# KiCad board relay_panel_2x2.kicad_pcb
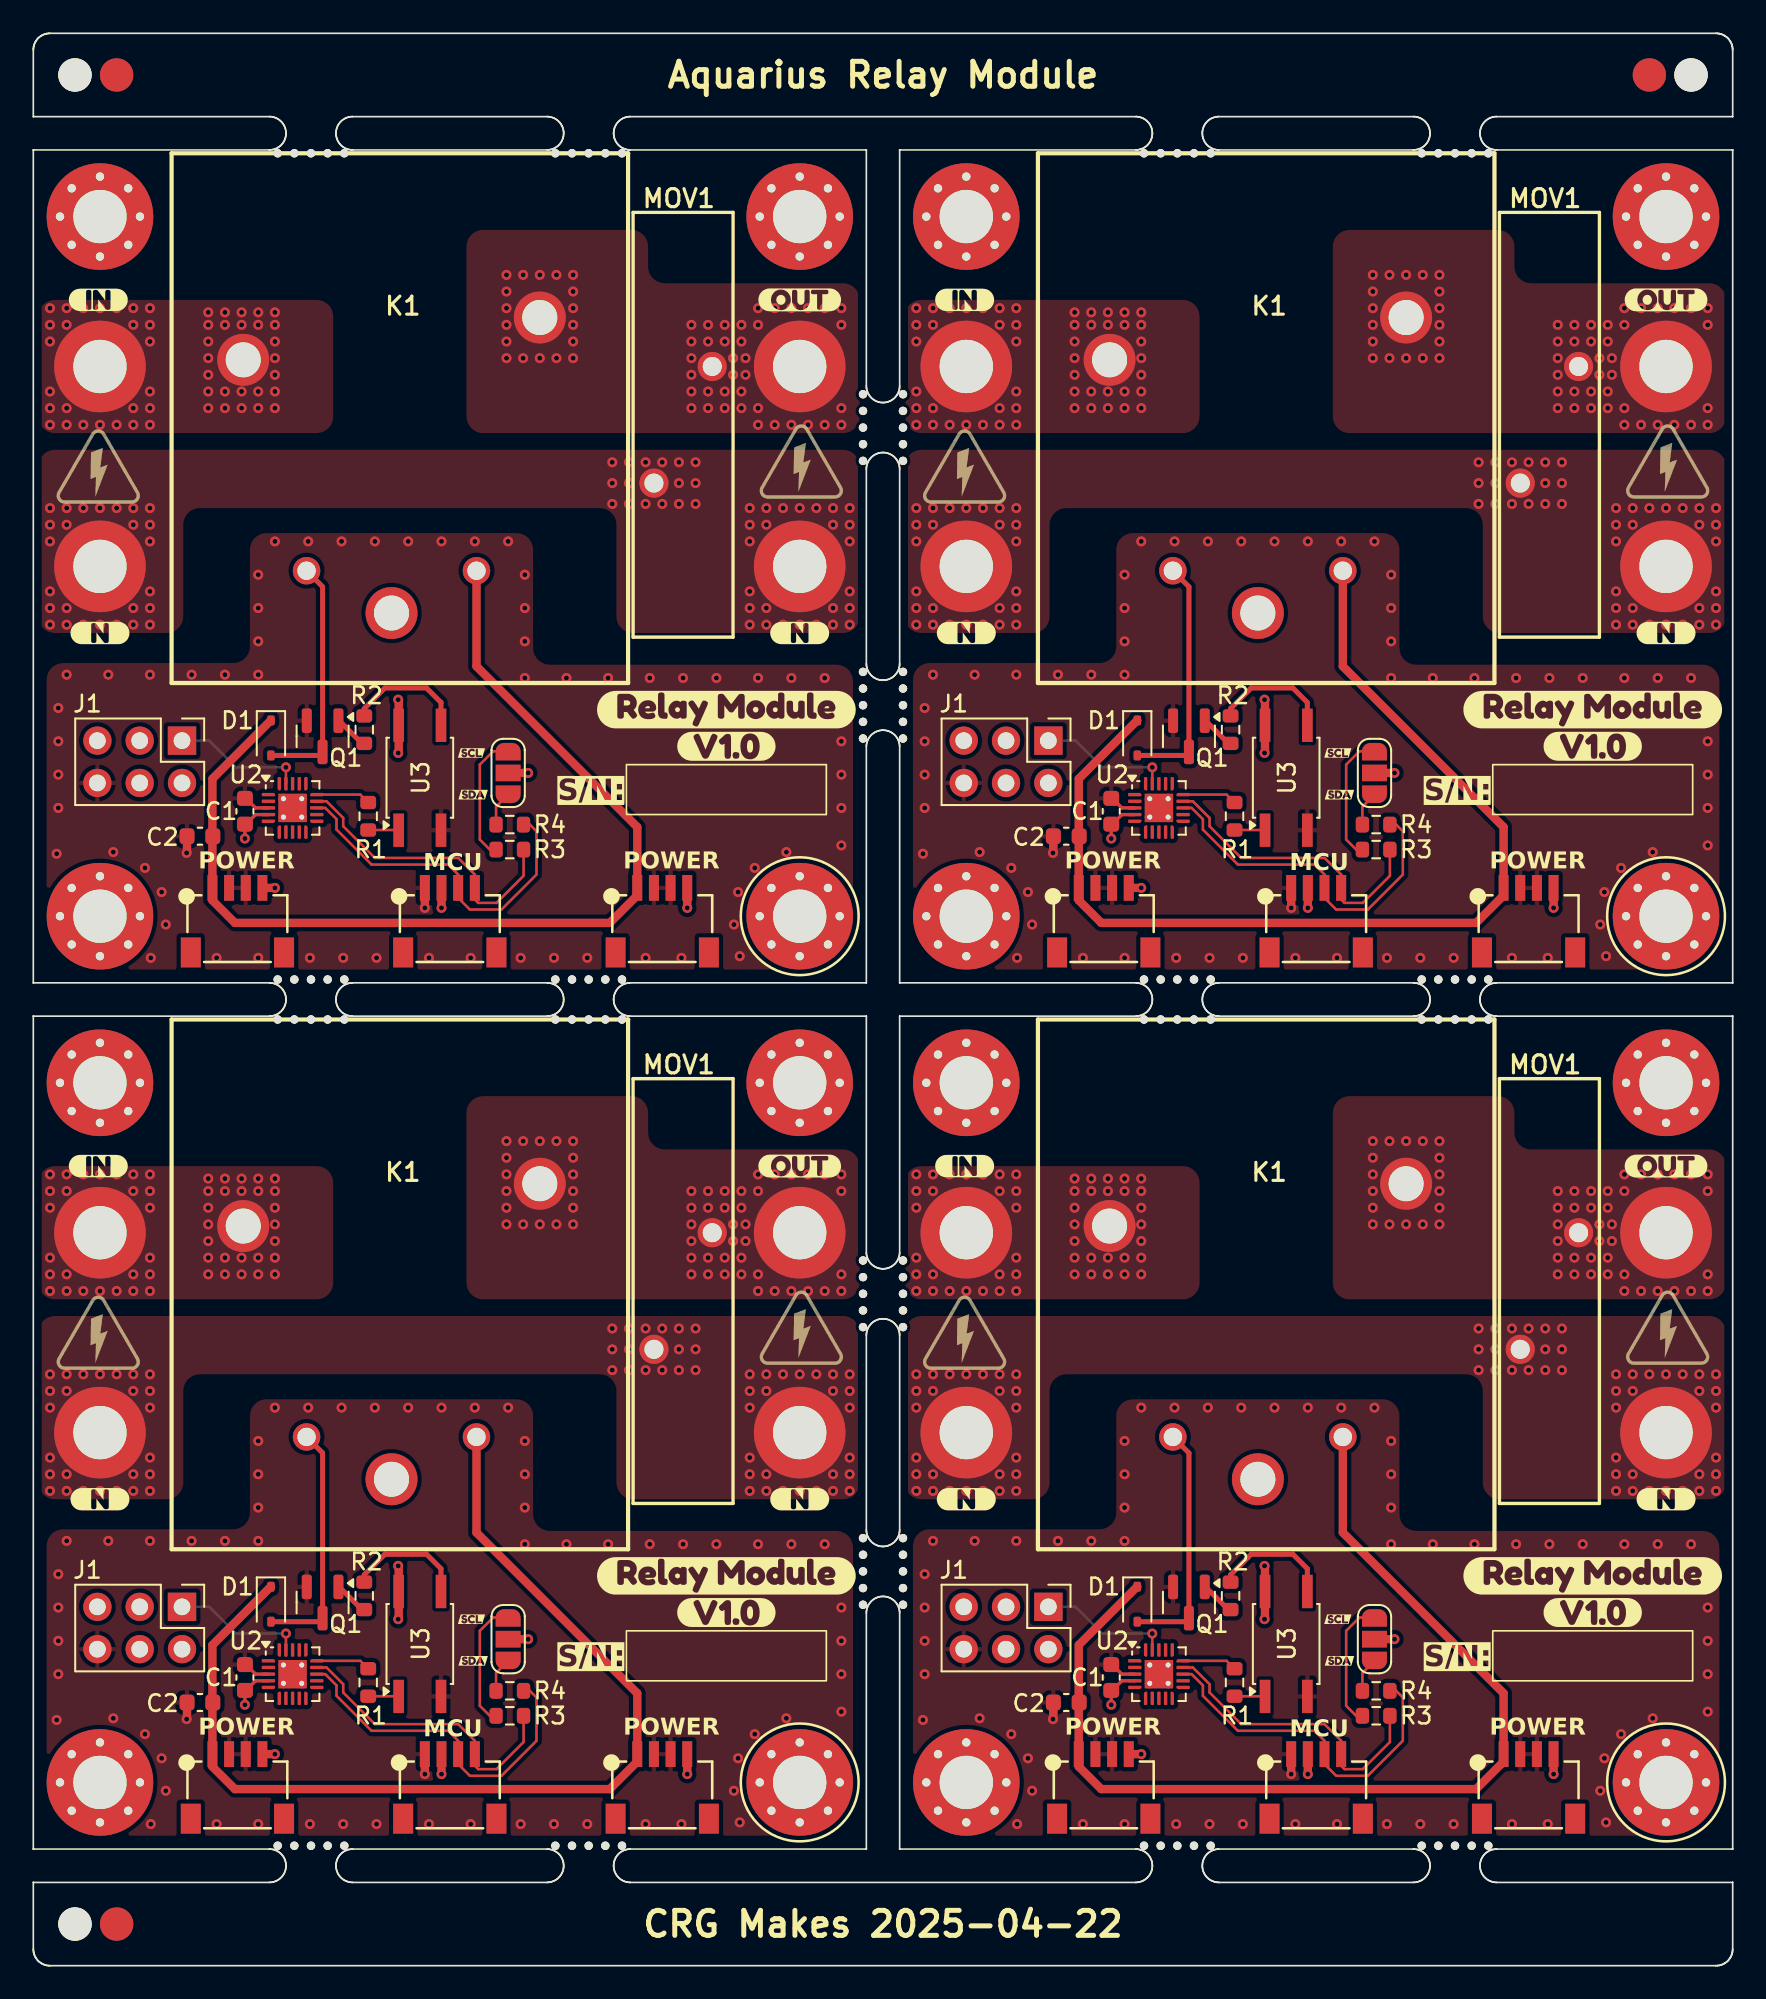
[diagram p0: board, top side]
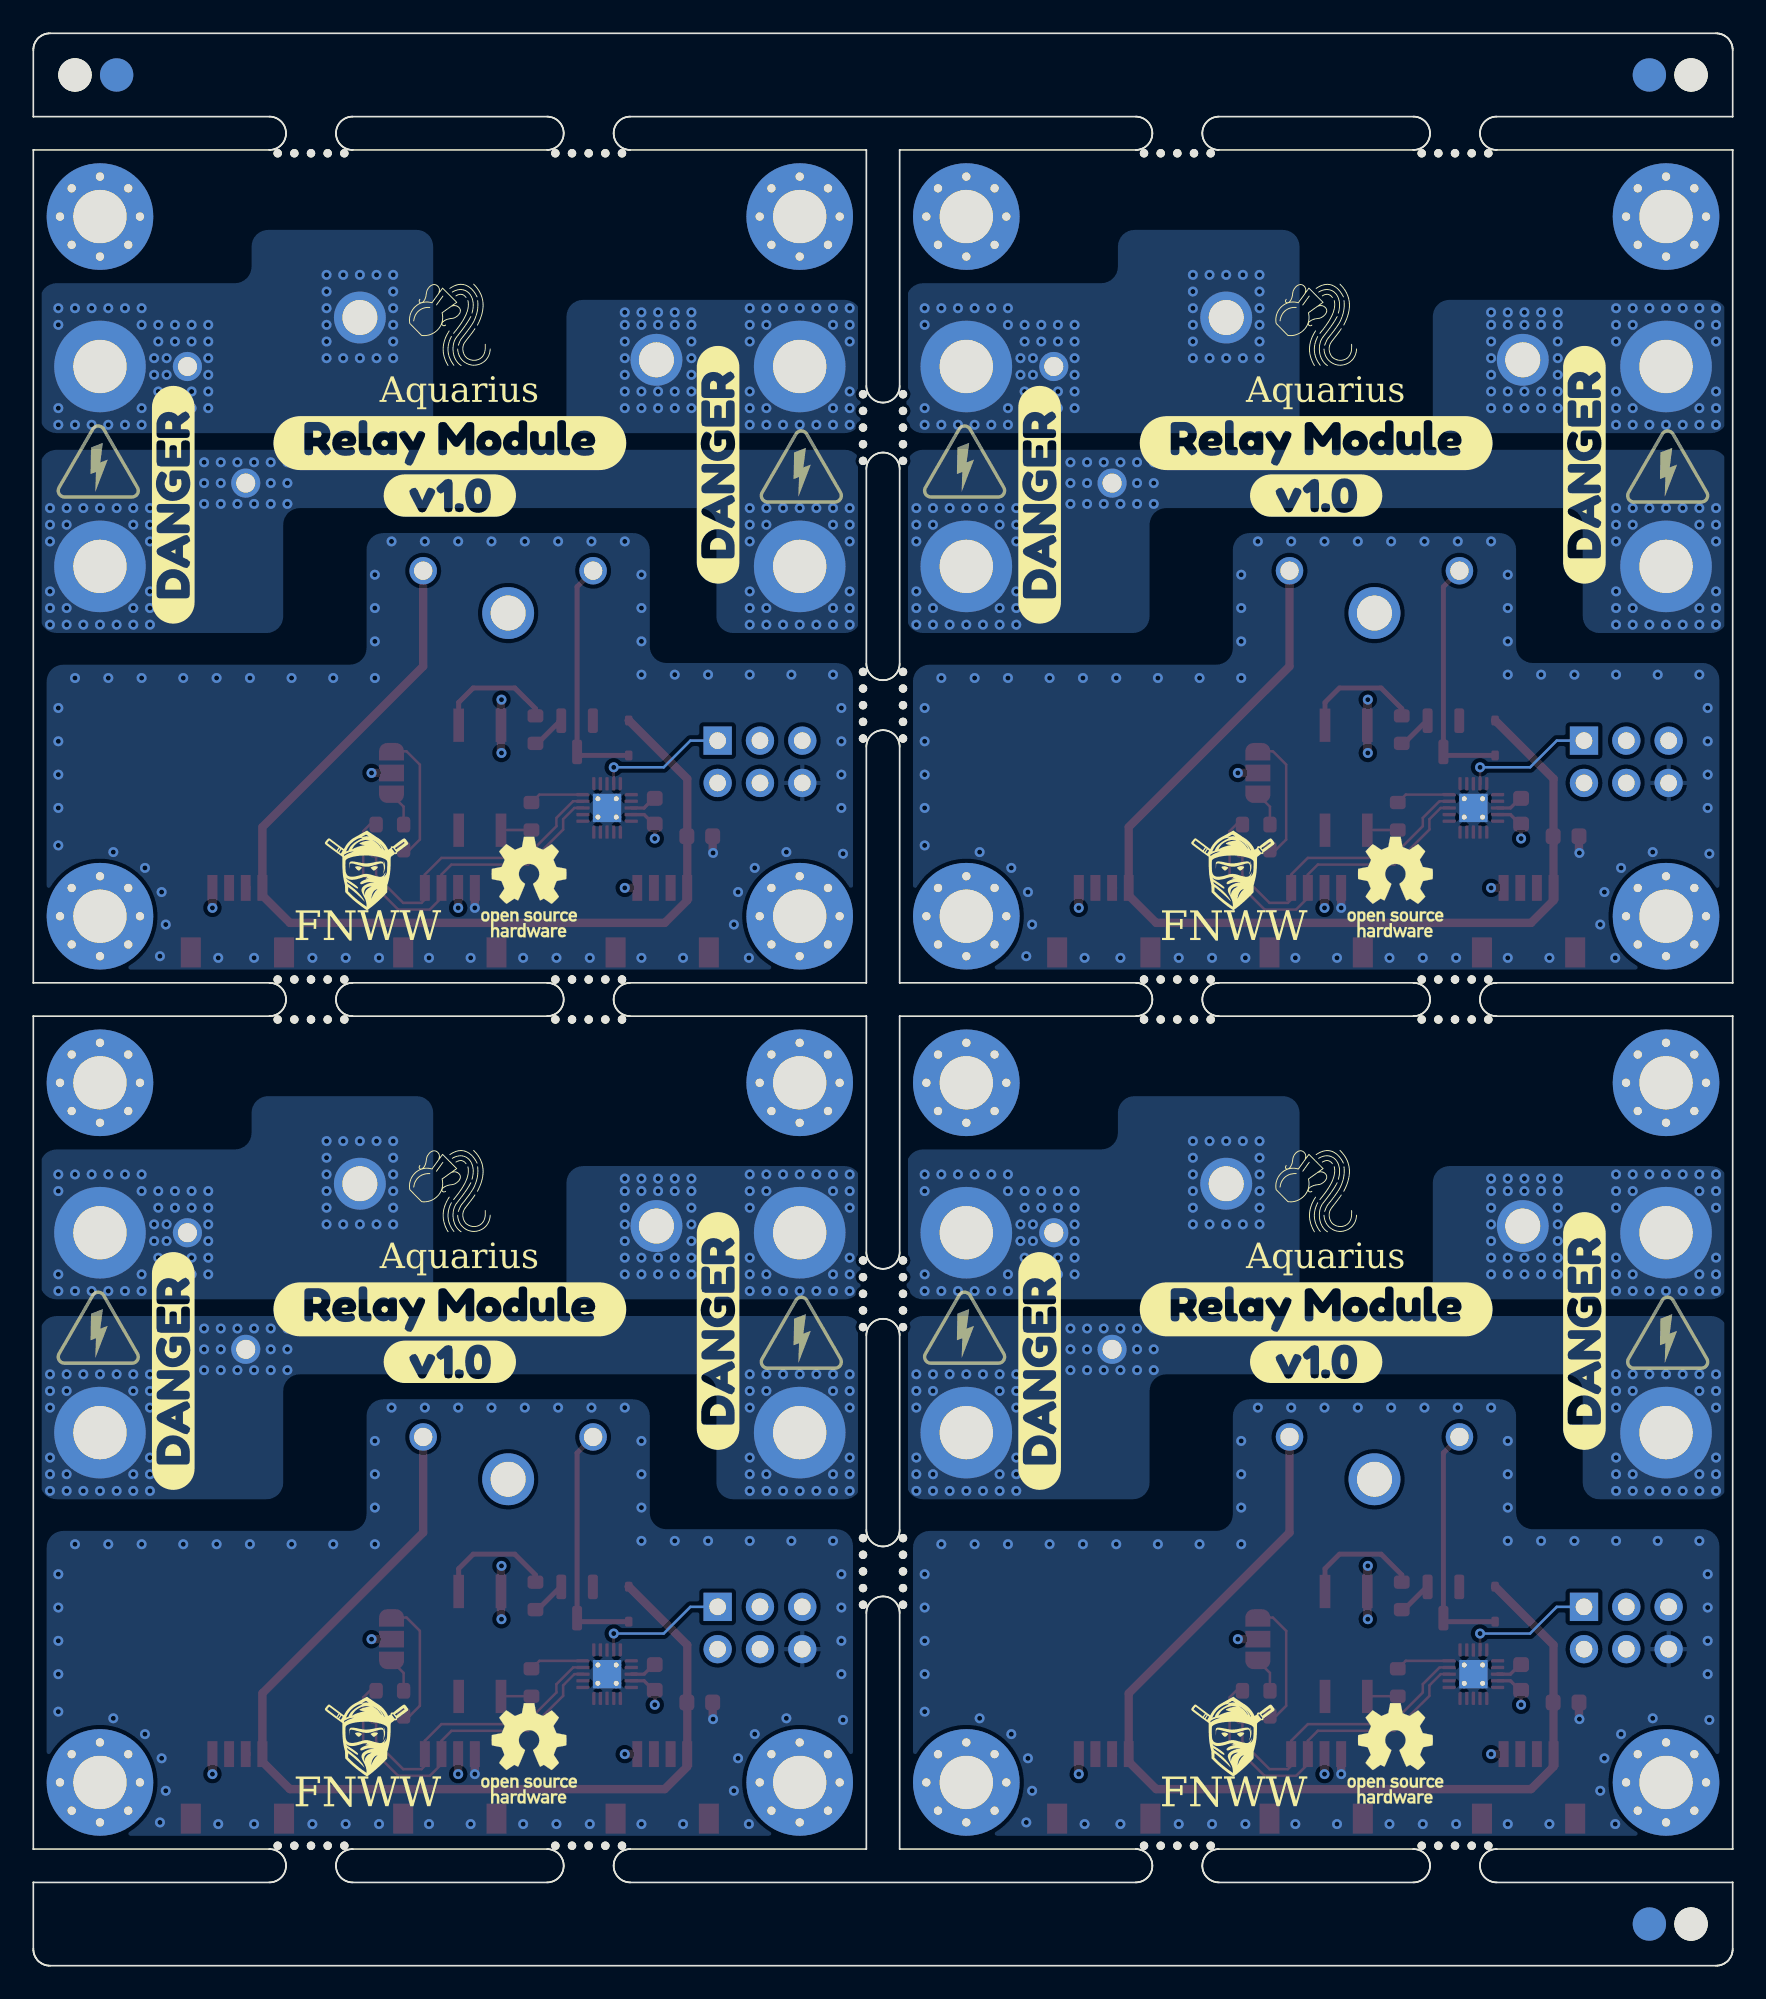
[diagram p1: board, bottom side, seen from below]

Outline 102 x 116 mm; copper layers: Top, In1.Cu, In2.Cu, Bottom. Coordinates in mm from the lower left corner of the outline.
Stack: Top 0.035mm / dielectric 0.1mm FR4 er 3.91 / In1.Cu 0.012mm / dielectric 1.24mm FR4 er 4.5 / In2.Cu 0.012mm / dielectric 0.1mm FR4 er 3.91 / Bottom 0.035mm

## Placement (name value [footprint] x y rotation side)
C1  .1uF  [C_0603_1608Metric]  64.7 69.3 90 top
C1#2  .1uF  [C_0603_1608Metric]  12.7 69.3 90 top
C1#3  .1uF  [C_0603_1608Metric]  12.7 17.3 90 top
C1#4  .1uF  [C_0603_1608Metric]  64.7 17.3 90 top
C2  .1uF  [C_0603_1608Metric]  62 15.8 180 top
C2#2  .1uF  [C_0603_1608Metric]  62 67.8 180 top
C2#3  .1uF  [C_0603_1608Metric]  10 67.8 180 top
C2#4  .1uF  [C_0603_1608Metric]  10 15.8 180 top
D1  BAT48JFILM  [D_SOD-323]  66.26 21.7 270 top
D1#2  BAT48JFILM  [D_SOD-323]  66.26 73.7 270 top
D1#3  BAT48JFILM  [D_SOD-323]  14.26 21.7 270 top
D1#4  BAT48JFILM  [D_SOD-323]  14.26 73.7 270 top
H1  MountingHole  [MountingHole_3.2mm_M3_Pad_Via]  56 11 0 top  (not fitted)
H1#2  MountingHole  [MountingHole_3.2mm_M3_Pad_Via]  4 11 0 top  (not fitted)
H1#3  MountingHole  [MountingHole_3.2mm_M3_Pad_Via]  4 63 0 top  (not fitted)
H1#4  MountingHole  [MountingHole_3.2mm_M3_Pad_Via]  56 63 0 top  (not fitted)
H2  MountingHole  [MountingHole_3.2mm_M3_Pad_Via]  46 63 0 top  (not fitted)
H2#2  MountingHole  [MountingHole_3.2mm_M3_Pad_Via]  98 63 0 top  (not fitted)
H2#3  MountingHole  [MountingHole_3.2mm_M3_Pad_Via]  98 11 0 top  (not fitted)
H2#4  MountingHole  [MountingHole_3.2mm_M3_Pad_Via]  46 11 0 top  (not fitted)
H3  MountingHole  [MountingHole_3.2mm_M3_Pad_Via]  98 53 0 top  (not fitted)
H3#2  MountingHole  [MountingHole_3.2mm_M3_Pad_Via]  98 105 0 top  (not fitted)
H3#3  MountingHole  [MountingHole_3.2mm_M3_Pad_Via]  46 53 0 top  (not fitted)
H3#4  MountingHole  [MountingHole_3.2mm_M3_Pad_Via]  46 105 0 top  (not fitted)
H4  MountingHole  [MountingHole_3.2mm_M3_Pad_Via]  4 105 0 top  (not fitted)
H4#2  MountingHole  [MountingHole_3.2mm_M3_Pad_Via]  4 53 0 top  (not fitted)
H4#3  MountingHole  [MountingHole_3.2mm_M3_Pad_Via]  56 53 0 top  (not fitted)
H4#4  MountingHole  [MountingHole_3.2mm_M3_Pad_Via]  56 105 0 top  (not fitted)
J1  AVR-UPDI-6  [PinHeader_2x03_P2.54mm_Vertical]  8.92 21.54 270 top  (not fitted)
J1#2  AVR-UPDI-6  [PinHeader_2x03_P2.54mm_Vertical]  8.92 73.54 270 top  (not fitted)
J1#3  AVR-UPDI-6  [PinHeader_2x03_P2.54mm_Vertical]  60.93 21.54 270 top  (not fitted)
J1#4  AVR-UPDI-6  [PinHeader_2x03_P2.54mm_Vertical]  60.93 73.54 270 top  (not fitted)
J2  QWICC  [SM04B-SRSS-TB]  77 64.7 180 top
J2#2  QWICC  [SM04B-SRSS-TB]  25 64.7 180 top
J2#3  QWICC  [SM04B-SRSS-TB]  25 12.7 180 top
J2#4  QWICC  [SM04B-SRSS-TB]  77 12.7 180 top
J3  Power In  [SM04B-SRSS-TB]  89.75 64.7 180 top
J3#2  Power In  [SM04B-SRSS-TB]  37.75 12.7 180 top
J3#3  Power In  [SM04B-SRSS-TB]  89.75 12.7 180 top
J3#4  Power In  [SM04B-SRSS-TB]  37.75 64.7 180 top
J4  Power Out  [SM04B-SRSS-TB]  64.25 64.7 180 top
J4#2  Power Out  [SM04B-SRSS-TB]  64.25 12.7 180 top
J4#3  Power Out  [SM04B-SRSS-TB]  12.25 12.7 180 top
J4#4  Power Out  [SM04B-SRSS-TB]  12.25 64.7 180 top
JP1  Jumper_3_Open  [SolderJumper-3_P1.3mm_Open_RoundedPad1.0x1.5mm_NumberLabels]  28.5 19.6 270 top  (not fitted)
JP1#2  Jumper_3_Open  [SolderJumper-3_P1.3mm_Open_RoundedPad1.0x1.5mm_NumberLabels]  28.5 71.6 270 top  (not fitted)
JP1#3  Jumper_3_Open  [SolderJumper-3_P1.3mm_Open_RoundedPad1.0x1.5mm_NumberLabels]  80.5 71.6 270 top  (not fitted)
JP1#4  Jumper_3_Open  [SolderJumper-3_P1.3mm_Open_RoundedPad1.0x1.5mm_NumberLabels]  80.5 19.6 270 top  (not fitted)
K1  PR24-5V-900-1A  [RELAY_PR24-5V-900-1A]  74 40.9 0 top
K1#2  PR24-5V-900-1A  [RELAY_PR24-5V-900-1A]  74 92.9 0 top
K1#3  PR24-5V-900-1A  [RELAY_PR24-5V-900-1A]  22 92.9 0 top
K1#4  PR24-5V-900-1A  [RELAY_PR24-5V-900-1A]  22 40.9 0 top
kibuzzard-67E371A7  G***  [kibuzzard-67E371A7]  98 100 0 top
kibuzzard-67E371A7#2  G***  [kibuzzard-67E371A7]  46 100 0 top
kibuzzard-67E371A7#3  G***  [kibuzzard-67E371A7]  98 48 0 top
kibuzzard-67E371A7#4  G***  [kibuzzard-67E371A7]  46 48 0 top
kibuzzard-67E3720C  G***  [kibuzzard-67E3720C]  4 80 0 top
kibuzzard-67E3720C#2  G***  [kibuzzard-67E3720C]  46 28 0 top
kibuzzard-67E3720C#3  G***  [kibuzzard-67E3720C]  98 28 0 top
kibuzzard-67E3720C#4  G***  [kibuzzard-67E3720C]  46 80 0 top
kibuzzard-67E3720C#5  G***  [kibuzzard-67E3720C]  98 80 0 top
kibuzzard-67E3720C#6  G***  [kibuzzard-67E3720C]  4 28 0 top
kibuzzard-67E3720C#7  G***  [kibuzzard-67E3720C]  56 80 0 top
kibuzzard-67E3720C#8  G***  [kibuzzard-67E3720C]  56 28 0 top
kibuzzard-67E37192  G***  [kibuzzard-67E37192]  3.9 48 0 top
kibuzzard-67E37192#2  G***  [kibuzzard-67E37192]  55.9 48 0 top
kibuzzard-67E37192#3  G***  [kibuzzard-67E37192]  55.9 100 0 top
kibuzzard-67E37192#4  G***  [kibuzzard-67E37192]  3.9 100 0 top
kibuzzard-67F88910  G***  [kibuzzard-67F88910]  60.9 90.1 90 bottom
kibuzzard-67F88910#2  G***  [kibuzzard-67F88910]  41.6 87.7 90 bottom
kibuzzard-67F88910#3  G***  [kibuzzard-67F88910]  41.6 35.7 90 bottom
kibuzzard-67F88910#4  G***  [kibuzzard-67F88910]  93.6 35.7 90 bottom
kibuzzard-67F88910#5  G***  [kibuzzard-67F88910]  8.9 90.1 90 bottom
kibuzzard-67F88910#6  G***  [kibuzzard-67F88910]  8.9 38.1 90 bottom
kibuzzard-67F88910#7  G***  [kibuzzard-67F88910]  93.6 87.7 90 bottom
kibuzzard-67F88910#8  G***  [kibuzzard-67F88910]  60.9 38.1 90 bottom
kibuzzard-6801AC5F  G***  [kibuzzard-6801AC5F]  26.3 72.8 0 top
kibuzzard-6801AC5F#2  G***  [kibuzzard-6801AC5F]  78.3 20.8 0 top
kibuzzard-6801AC5F#3  G***  [kibuzzard-6801AC5F]  26.3 20.8 0 top
kibuzzard-6801AC5F#4  G***  [kibuzzard-6801AC5F]  78.3 72.8 0 top
kibuzzard-6801ACAF  G***  [kibuzzard-6801ACAF]  26.4 70.3 0 top
kibuzzard-6801ACAF#2  G***  [kibuzzard-6801ACAF]  78.4 70.3 0 top
kibuzzard-6801ACAF#3  G***  [kibuzzard-6801ACAF]  26.4 18.3 0 top
kibuzzard-6801ACAF#4  G***  [kibuzzard-6801ACAF]  78.4 18.3 0 top
kibuzzard-68029C11  G***  [kibuzzard-68029C11]  77 91.4 180 bottom
kibuzzard-68029C11#2  G***  [kibuzzard-68029C11]  25 39.4 180 bottom
kibuzzard-68029C11#3  G***  [kibuzzard-68029C11]  25 91.4 180 bottom
kibuzzard-68029C11#4  G***  [kibuzzard-68029C11]  77 39.4 180 bottom
kibuzzard-6801052A  G***  [kibuzzard-6801052A]  93.6 75.4 0 top
kibuzzard-6801052A#2  G***  [kibuzzard-6801052A]  41.6 75.4 0 top
kibuzzard-6801052A#3  G***  [kibuzzard-6801052A]  93.6 23.4 0 top
kibuzzard-6801052A#4  G***  [kibuzzard-6801052A]  41.6 23.4 0 top
kibuzzard-6801053F  G***  [kibuzzard-6801053F]  93.6 73.2 0 top
kibuzzard-6801053F#2  G***  [kibuzzard-6801053F]  93.6 21.2 0 top
kibuzzard-6801053F#3  G***  [kibuzzard-6801053F]  41.6 73.2 0 top
kibuzzard-6801053F#4  G***  [kibuzzard-6801053F]  41.6 21.2 0 top
kibuzzard-6802999E  G***  [kibuzzard-6802999E]  77 36.25 180 bottom
kibuzzard-6802999E#2  G***  [kibuzzard-6802999E]  25 88.25 180 bottom
kibuzzard-6802999E#3  G***  [kibuzzard-6802999E]  25 36.25 180 bottom
kibuzzard-6802999E#4  G***  [kibuzzard-6802999E]  77 88.25 180 bottom
KiKit_FID_B_1  -  [Fiducial]  5 113.5 180 bottom
KiKit_FID_B_2  -  [Fiducial]  97 113.5 180 bottom
KiKit_FID_B_3  -  [Fiducial]  5 2.5 180 bottom
KiKit_FID_T_1  -  [Fiducial]  5 113.5 0 top
KiKit_FID_T_2  -  [Fiducial]  97 113.5 0 top
KiKit_FID_T_3  -  [Fiducial]  5 2.5 0 top
KiKit_MB_1_1  -  [NPTH]  49.8 94.33 0 top
KiKit_MB_1_2  -  [NPTH]  49.8 93.33 0 top
KiKit_MB_1_3  -  [NPTH]  49.8 92.33 0 top
KiKit_MB_1_4  -  [NPTH]  49.8 91.33 0 top
KiKit_MB_1_5  -  [NPTH]  49.8 90.33 0 top
KiKit_MB_2_1  -  [NPTH]  49.8 77.67 0 top
KiKit_MB_2_2  -  [NPTH]  49.8 76.67 0 top
KiKit_MB_2_3  -  [NPTH]  49.8 75.67 0 top
KiKit_MB_2_4  -  [NPTH]  49.8 74.67 0 top
KiKit_MB_2_5  -  [NPTH]  49.8 73.67 0 top
KiKit_MB_3_1  -  [NPTH]  14.67 108.8 0 top
KiKit_MB_3_2  -  [NPTH]  15.67 108.8 0 top
KiKit_MB_3_3  -  [NPTH]  16.67 108.8 0 top
KiKit_MB_3_4  -  [NPTH]  17.67 108.8 0 top
KiKit_MB_3_5  -  [NPTH]  18.67 108.8 0 top
KiKit_MB_4_1  -  [NPTH]  31.33 108.8 0 top
KiKit_MB_4_2  -  [NPTH]  32.33 108.8 0 top
KiKit_MB_4_3  -  [NPTH]  33.33 108.8 0 top
KiKit_MB_4_4  -  [NPTH]  34.33 108.8 0 top
KiKit_MB_4_5  -  [NPTH]  35.33 108.8 0 top
KiKit_MB_5_1  -  [NPTH]  18.67 59.2 0 top
KiKit_MB_5_2  -  [NPTH]  17.67 59.2 0 top
KiKit_MB_5_3  -  [NPTH]  16.67 59.2 0 top
KiKit_MB_5_4  -  [NPTH]  15.67 59.2 0 top
KiKit_MB_5_5  -  [NPTH]  14.67 59.2 0 top
KiKit_MB_6_1  -  [NPTH]  35.33 59.2 0 top
KiKit_MB_6_2  -  [NPTH]  34.33 59.2 0 top
KiKit_MB_6_3  -  [NPTH]  33.33 59.2 0 top
KiKit_MB_6_4  -  [NPTH]  32.33 59.2 0 top
KiKit_MB_6_5  -  [NPTH]  31.33 59.2 0 top
KiKit_MB_7_1  -  [NPTH]  52.2 90.33 0 top
KiKit_MB_7_2  -  [NPTH]  52.2 91.33 0 top
KiKit_MB_7_3  -  [NPTH]  52.2 92.33 0 top
KiKit_MB_7_4  -  [NPTH]  52.2 93.33 0 top
KiKit_MB_7_5  -  [NPTH]  52.2 94.33 0 top
KiKit_MB_8_1  -  [NPTH]  52.2 73.67 0 top
KiKit_MB_8_2  -  [NPTH]  52.2 74.67 0 top
KiKit_MB_8_3  -  [NPTH]  52.2 75.67 0 top
KiKit_MB_8_4  -  [NPTH]  52.2 76.67 0 top
KiKit_MB_8_5  -  [NPTH]  52.2 77.67 0 top
KiKit_MB_9_1  -  [NPTH]  66.67 108.8 0 top
KiKit_MB_9_2  -  [NPTH]  67.67 108.8 0 top
KiKit_MB_9_3  -  [NPTH]  68.67 108.8 0 top
KiKit_MB_9_4  -  [NPTH]  69.67 108.8 0 top
KiKit_MB_9_5  -  [NPTH]  70.67 108.8 0 top
KiKit_MB_10_1  -  [NPTH]  83.33 108.8 0 top
KiKit_MB_10_2  -  [NPTH]  84.33 108.8 0 top
KiKit_MB_10_3  -  [NPTH]  85.33 108.8 0 top
KiKit_MB_10_4  -  [NPTH]  86.33 108.8 0 top
KiKit_MB_10_5  -  [NPTH]  87.33 108.8 0 top
KiKit_MB_11_1  -  [NPTH]  70.67 59.2 0 top
KiKit_MB_11_2  -  [NPTH]  69.67 59.2 0 top
KiKit_MB_11_3  -  [NPTH]  68.67 59.2 0 top
KiKit_MB_11_4  -  [NPTH]  67.67 59.2 0 top
KiKit_MB_11_5  -  [NPTH]  66.67 59.2 0 top
KiKit_MB_12_1  -  [NPTH]  87.33 59.2 0 top
KiKit_MB_12_2  -  [NPTH]  86.33 59.2 0 top
KiKit_MB_12_3  -  [NPTH]  85.33 59.2 0 top
KiKit_MB_12_4  -  [NPTH]  84.33 59.2 0 top
KiKit_MB_12_5  -  [NPTH]  83.33 59.2 0 top
KiKit_MB_13_1  -  [NPTH]  49.8 42.33 0 top
KiKit_MB_13_2  -  [NPTH]  49.8 41.33 0 top
KiKit_MB_13_3  -  [NPTH]  49.8 40.33 0 top
KiKit_MB_13_4  -  [NPTH]  49.8 39.33 0 top
KiKit_MB_13_5  -  [NPTH]  49.8 38.33 0 top
KiKit_MB_14_1  -  [NPTH]  49.8 25.67 0 top
KiKit_MB_14_2  -  [NPTH]  49.8 24.67 0 top
KiKit_MB_14_3  -  [NPTH]  49.8 23.67 0 top
KiKit_MB_14_4  -  [NPTH]  49.8 22.67 0 top
KiKit_MB_14_5  -  [NPTH]  49.8 21.67 0 top
KiKit_MB_15_1  -  [NPTH]  14.67 56.8 0 top
KiKit_MB_15_2  -  [NPTH]  15.67 56.8 0 top
KiKit_MB_15_3  -  [NPTH]  16.67 56.8 0 top
KiKit_MB_15_4  -  [NPTH]  17.67 56.8 0 top
KiKit_MB_15_5  -  [NPTH]  18.67 56.8 0 top
KiKit_MB_16_1  -  [NPTH]  31.33 56.8 0 top
KiKit_MB_16_2  -  [NPTH]  32.33 56.8 0 top
KiKit_MB_16_3  -  [NPTH]  33.33 56.8 0 top
KiKit_MB_16_4  -  [NPTH]  34.33 56.8 0 top
KiKit_MB_16_5  -  [NPTH]  35.33 56.8 0 top
KiKit_MB_17_1  -  [NPTH]  18.67 7.2 0 top
KiKit_MB_17_2  -  [NPTH]  17.67 7.2 0 top
KiKit_MB_17_3  -  [NPTH]  16.67 7.2 0 top
KiKit_MB_17_4  -  [NPTH]  15.67 7.2 0 top
KiKit_MB_17_5  -  [NPTH]  14.67 7.2 0 top
KiKit_MB_18_1  -  [NPTH]  35.33 7.2 0 top
KiKit_MB_18_2  -  [NPTH]  34.33 7.2 0 top
KiKit_MB_18_3  -  [NPTH]  33.33 7.2 0 top
KiKit_MB_18_4  -  [NPTH]  32.33 7.2 0 top
KiKit_MB_18_5  -  [NPTH]  31.33 7.2 0 top
KiKit_MB_19_1  -  [NPTH]  52.2 38.33 0 top
KiKit_MB_19_2  -  [NPTH]  52.2 39.33 0 top
KiKit_MB_19_3  -  [NPTH]  52.2 40.33 0 top
KiKit_MB_19_4  -  [NPTH]  52.2 41.33 0 top
KiKit_MB_19_5  -  [NPTH]  52.2 42.33 0 top
KiKit_MB_20_1  -  [NPTH]  52.2 21.67 0 top
KiKit_MB_20_2  -  [NPTH]  52.2 22.67 0 top
KiKit_MB_20_3  -  [NPTH]  52.2 23.67 0 top
KiKit_MB_20_4  -  [NPTH]  52.2 24.67 0 top
KiKit_MB_20_5  -  [NPTH]  52.2 25.67 0 top
KiKit_MB_21_1  -  [NPTH]  66.67 56.8 0 top
KiKit_MB_21_2  -  [NPTH]  67.67 56.8 0 top
KiKit_MB_21_3  -  [NPTH]  68.67 56.8 0 top
KiKit_MB_21_4  -  [NPTH]  69.67 56.8 0 top
KiKit_MB_21_5  -  [NPTH]  70.67 56.8 0 top
KiKit_MB_22_1  -  [NPTH]  83.33 56.8 0 top
KiKit_MB_22_2  -  [NPTH]  84.33 56.8 0 top
KiKit_MB_22_3  -  [NPTH]  85.33 56.8 0 top
KiKit_MB_22_4  -  [NPTH]  86.33 56.8 0 top
KiKit_MB_22_5  -  [NPTH]  87.33 56.8 0 top
KiKit_MB_23_1  -  [NPTH]  70.67 7.2 0 top
KiKit_MB_23_2  -  [NPTH]  69.67 7.2 0 top
KiKit_MB_23_3  -  [NPTH]  68.67 7.2 0 top
KiKit_MB_23_4  -  [NPTH]  67.67 7.2 0 top
KiKit_MB_23_5  -  [NPTH]  66.67 7.2 0 top
KiKit_MB_24_1  -  [NPTH]  87.33 7.2 0 top
KiKit_MB_24_2  -  [NPTH]  86.33 7.2 0 top
KiKit_MB_24_3  -  [NPTH]  85.33 7.2 0 top
KiKit_MB_24_4  -  [NPTH]  84.33 7.2 0 top
KiKit_MB_24_5  -  [NPTH]  83.33 7.2 0 top
KiKit_TO_1  -  [NPTH#2]  2.5 113.5 0 top
KiKit_TO_2  -  [NPTH#2]  99.5 113.5 0 top
KiKit_TO_3  -  [NPTH#2]  2.5 2.5 0 top
LOGO1  ~  [Aquarius Logo 5mm]  77.07 95.78 180 bottom  (not fitted)
LOGO1#2  ~  [Aquarius Logo 5mm]  25.07 95.78 180 bottom  (not fitted)
LOGO1#3  ~  [Aquarius Logo 5mm]  25.07 43.78 180 bottom  (not fitted)
LOGO1#4  ~  [Aquarius Logo 5mm]  77.07 43.78 180 bottom  (not fitted)
LOGO3  ~  [FNWW Face 5mm]  82 63.11 180 bottom  (not fitted)
LOGO3#2  ~  [FNWW Face 5mm]  30 63.11 180 bottom  (not fitted)
LOGO3#3  ~  [FNWW Face 5mm]  82 11.11 180 bottom  (not fitted)
LOGO3#4  ~  [FNWW Face 5mm]  30 11.11 180 bottom  (not fitted)
LOGO5  Logo_Open_Hardware_Small  [OSHW-Logo_5.7x6mm_SilkScreen]  20.25 64.75 180 bottom  (not fitted)
LOGO5#2  Logo_Open_Hardware_Small  [OSHW-Logo_5.7x6mm_SilkScreen]  72.25 64.75 180 bottom  (not fitted)
LOGO5#3  Logo_Open_Hardware_Small  [OSHW-Logo_5.7x6mm_SilkScreen]  20.25 12.75 180 bottom  (not fitted)
LOGO5#4  Logo_Open_Hardware_Small  [OSHW-Logo_5.7x6mm_SilkScreen]  72.25 12.75 180 bottom  (not fitted)
MOV1  -  [V250LA40BP]  39 92.5 0 top
MOV1#2  -  [V250LA40BP]  91 92.5 0 top
MOV1#3  -  [V250LA40BP]  39 40.5 0 top
MOV1#4  -  [V250LA40BP]  91 40.5 0 top
P1  MountingHole_Pad  [MountingHole_3.2mm_M3_ISO14580_Pad]  98 32 0 top  (not fitted)
P1#2  MountingHole_Pad  [MountingHole_3.2mm_M3_ISO14580_Pad]  46 32 0 top  (not fitted)
P1#3  MountingHole_Pad  [MountingHole_3.2mm_M3_ISO14580_Pad]  98 84 0 top  (not fitted)
P1#4  MountingHole_Pad  [MountingHole_3.2mm_M3_ISO14580_Pad]  46 84 0 top  (not fitted)
P2  MountingHole_Pad  [MountingHole_3.2mm_M3_ISO14580_Pad]  4 84 0 top  (not fitted)
P2#2  MountingHole_Pad  [MountingHole_3.2mm_M3_ISO14580_Pad]  56 84 0 top  (not fitted)
P2#3  MountingHole_Pad  [MountingHole_3.2mm_M3_ISO14580_Pad]  56 32 0 top  (not fitted)
P2#4  MountingHole_Pad  [MountingHole_3.2mm_M3_ISO14580_Pad]  4 32 0 top  (not fitted)
P3  MountingHole_Pad  [MountingHole_3.2mm_M3_ISO14580_Pad]  56 44 0 top  (not fitted)
P3#2  MountingHole_Pad  [MountingHole_3.2mm_M3_ISO14580_Pad]  56 96 0 top  (not fitted)
P3#3  MountingHole_Pad  [MountingHole_3.2mm_M3_ISO14580_Pad]  4 44 0 top  (not fitted)
P3#4  MountingHole_Pad  [MountingHole_3.2mm_M3_ISO14580_Pad]  4 96 0 top  (not fitted)
P4  MountingHole_Pad  [MountingHole_3.2mm_M3_ISO14580_Pad]  98 96 0 top  (not fitted)
P4#2  MountingHole_Pad  [MountingHole_3.2mm_M3_ISO14580_Pad]  46 44 0 top  (not fitted)
P4#3  MountingHole_Pad  [MountingHole_3.2mm_M3_ISO14580_Pad]  98 44 0 top  (not fitted)
P4#4  MountingHole_Pad  [MountingHole_3.2mm_M3_ISO14580_Pad]  46 96 0 top  (not fitted)
Q1  MMBT3904  [SOT-23]  69.36 21.8 270 top
Q1#2  MMBT3904  [SOT-23]  17.36 21.8 270 top
Q1#3  MMBT3904  [SOT-23]  17.36 73.8 270 top
Q1#4  MMBT3904  [SOT-23]  69.36 73.8 270 top
R1  220  [R_0603_1608Metric]  20.1 69 270 top
R1#2  220  [R_0603_1608Metric]  72.1 69 270 top
R1#3  220  [R_0603_1608Metric]  20.1 17 270 top
R1#4  220  [R_0603_1608Metric]  72.1 17 270 top
R2  220  [R_0603_1608Metric]  19.86 22.2 270 top
R2#2  220  [R_0603_1608Metric]  71.86 22.2 270 top
R2#3  220  [R_0603_1608Metric]  71.86 74.2 270 top
R2#4  220  [R_0603_1608Metric]  19.86 74.2 270 top
R3  10K  [R_0603_1608Metric]  80.6 67 180 top
R3#2  10K  [R_0603_1608Metric]  28.6 67 180 top
R3#3  10K  [R_0603_1608Metric]  80.6 15 180 top
R3#4  10K  [R_0603_1608Metric]  28.6 15 180 top
R4  10K  [R_0603_1608Metric]  80.6 16.5 180 top
R4#2  10K  [R_0603_1608Metric]  28.6 68.5 180 top
R4#3  10K  [R_0603_1608Metric]  28.6 16.5 180 top
R4#4  10K  [R_0603_1608Metric]  80.6 68.5 180 top
S1  ~  [HIGH-VOLTAGE-5MM]  46.1 90.3 0 top  (not fitted)
S1#2  ~  [HIGH-VOLTAGE-5MM]  98.1 38.3 0 top  (not fitted)
S1#3  ~  [HIGH-VOLTAGE-5MM]  46.1 38.3 0 top  (not fitted)
S1#4  ~  [HIGH-VOLTAGE-5MM]  98.1 90.3 0 top  (not fitted)
S2  ~  [HIGH-VOLTAGE-5MM]  3.9 90 0 top  (not fitted)
S2#2  ~  [HIGH-VOLTAGE-5MM]  55.9 90 0 top  (not fitted)
S2#3  ~  [HIGH-VOLTAGE-5MM]  3.9 38 0 top  (not fitted)
S2#4  ~  [HIGH-VOLTAGE-5MM]  55.9 38 0 top  (not fitted)
S3  ~  [HIGH-VOLTAGE-5MM]  46.1 90.3 180 bottom  (not fitted)
S3#2  ~  [HIGH-VOLTAGE-5MM]  98.1 90.3 180 bottom  (not fitted)
S3#3  ~  [HIGH-VOLTAGE-5MM]  46.1 38.3 180 bottom  (not fitted)
S3#4  ~  [HIGH-VOLTAGE-5MM]  98.1 38.3 180 bottom  (not fitted)
S4  ~  [HIGH-VOLTAGE-5MM]  55.9 38 180 bottom  (not fitted)
S4#2  ~  [HIGH-VOLTAGE-5MM]  3.9 38 180 bottom  (not fitted)
S4#3  ~  [HIGH-VOLTAGE-5MM]  3.9 90 180 bottom  (not fitted)
S4#4  ~  [HIGH-VOLTAGE-5MM]  55.9 90 180 bottom  (not fitted)
U2  ATtiny1616-M  [VQFN-20-1EP_3x3mm_P0.4mm_EP1.7x1.7mm_ThermalVias]  15.56 17.5 0 top
U2#2  ATtiny1616-M  [VQFN-20-1EP_3x3mm_P0.4mm_EP1.7x1.7mm_ThermalVias]  67.56 17.5 0 top
U2#3  ATtiny1616-M  [VQFN-20-1EP_3x3mm_P0.4mm_EP1.7x1.7mm_ThermalVias]  67.56 69.5 0 top
U2#4  ATtiny1616-M  [VQFN-20-1EP_3x3mm_P0.4mm_EP1.7x1.7mm_ThermalVias]  15.56 69.5 0 top
U3  LTV-356T  [SO-4_4.4x3.6mm_P2.54mm]  23.2 19.31 90 top
U3#2  LTV-356T  [SO-4_4.4x3.6mm_P2.54mm]  75.2 71.31 90 top
U3#3  LTV-356T  [SO-4_4.4x3.6mm_P2.54mm]  75.2 19.31 90 top
U3#4  LTV-356T  [SO-4_4.4x3.6mm_P2.54mm]  23.2 71.31 90 top
